# Altium PCB PCB v0.1.PcbDoc (part 2 of 2)
Units mm, origin at the board's own origin, x right, y up, seen from the top; angles counter-clockwise.
Board outline 36.5 x 36.5 mm, 4 copper layers (Top Layer, Mid Layer 1, Mid Layer 2, Bottom Layer), stack 1.17 mm thick; 152 components, 97 nets, 495 pads, 776 vias.
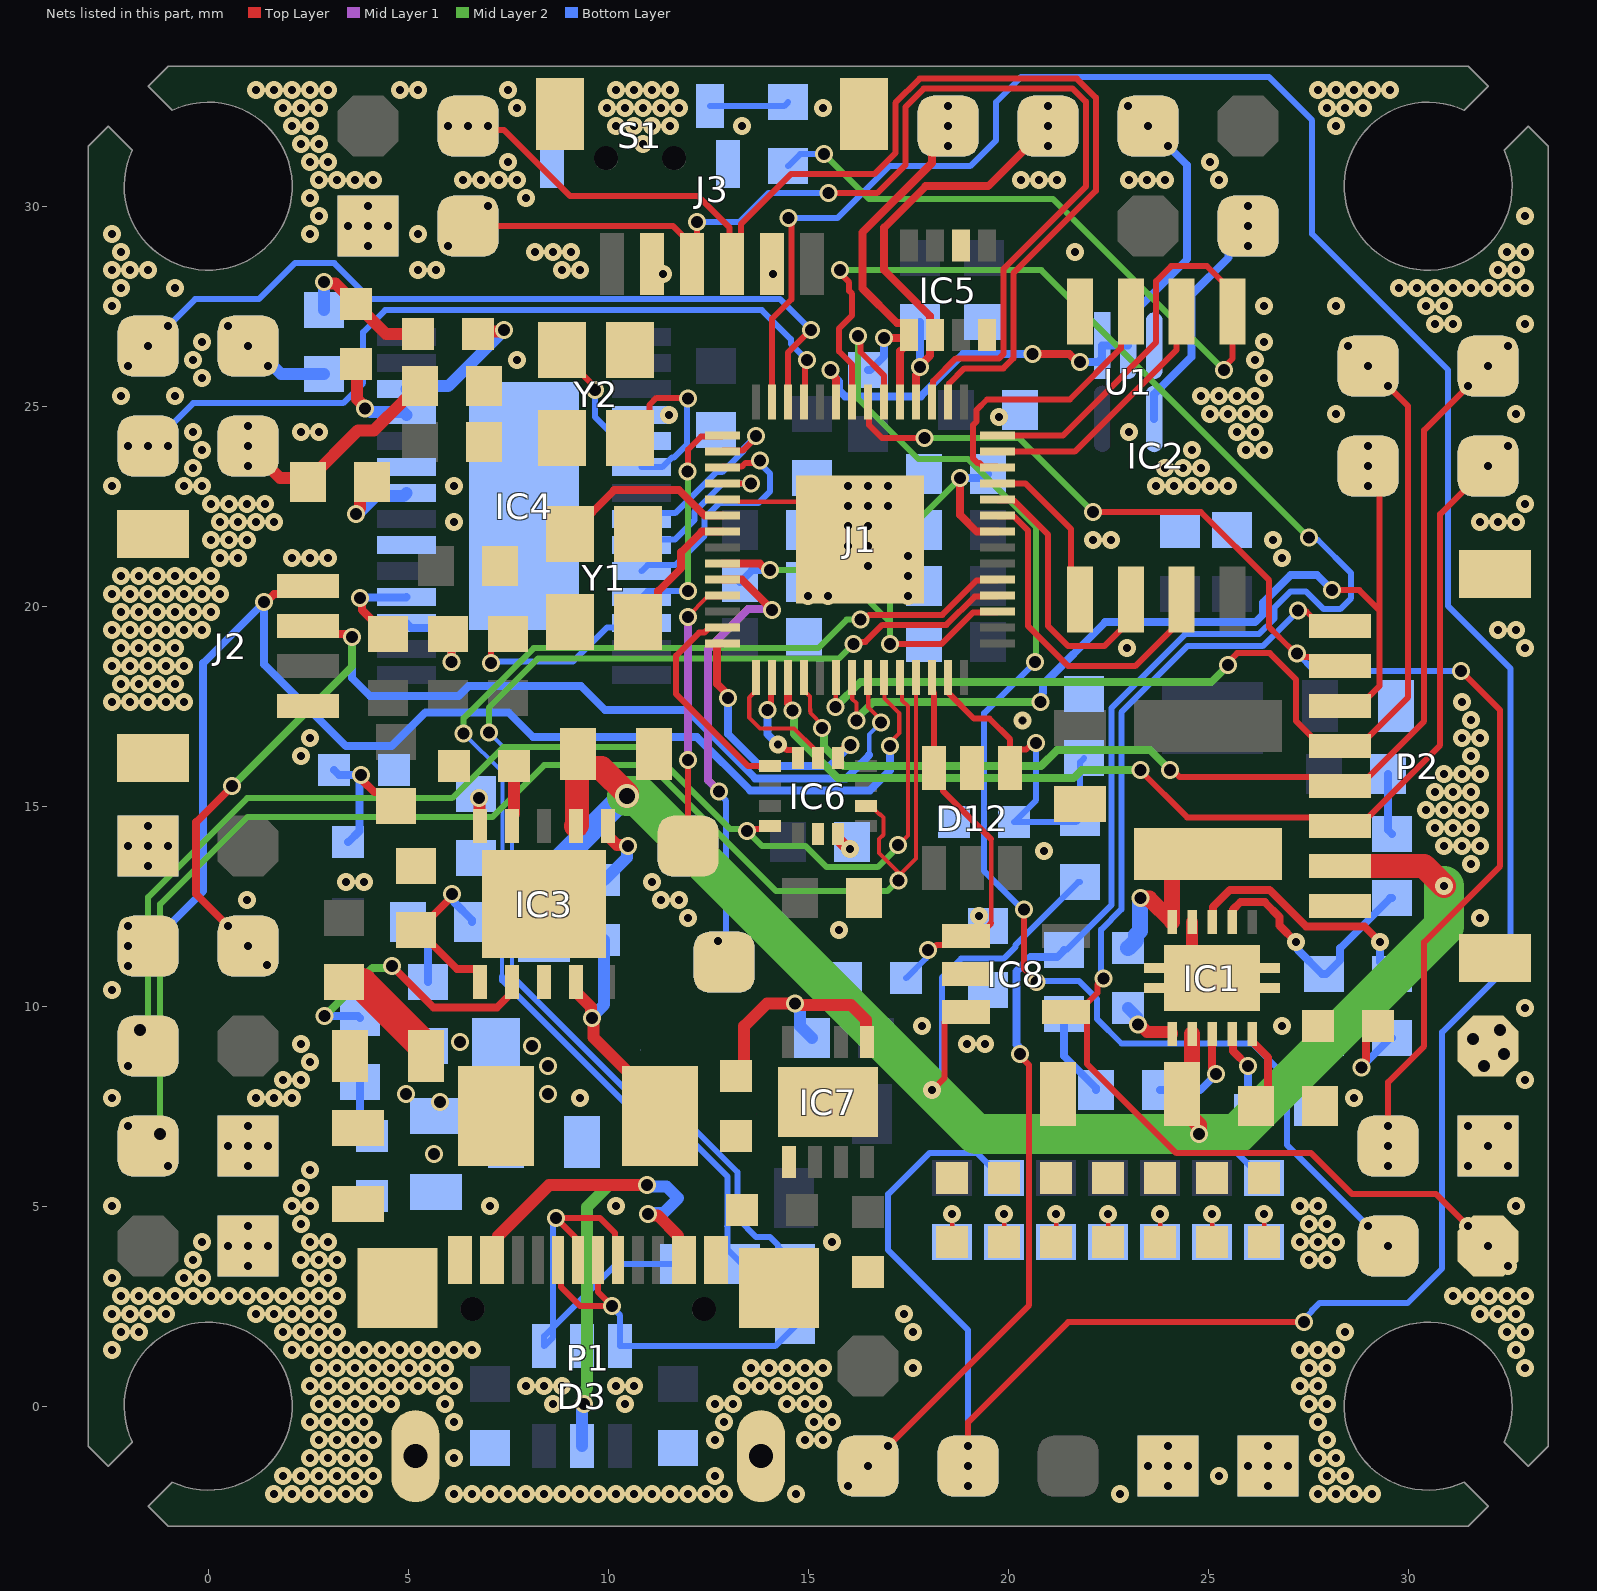
[diagram p4: the nets of this part, all layers, seen from the top]

## Via types
v1: diameter 0.45, hole 0.2, Top Layer to Bottom Layer, tented both sides, 626 vias
v2: diameter 0.45, hole 0.3, Top Layer to Bottom Layer, tented both sides, 140 vias
v3: diameter 0.6, hole 0.4, Top Layer to Bottom Layer, tented both sides, 6 vias
v4: diameter 0.6, hole 0.3, Top Layer to Bottom Layer, tented both sides, 4 vias

## Nets (pads, with @x,y where several pads share a name; then routed paths per layer and width w, separated by ;. In a path a pad name is that pad's centre, name@x,y a point inside that pad or via, vN(x,y) a via of type N, cw(c..) or ccw(c..) an arc to the next point about the centre after c; other vN are vias at no path point) (continued)
CSB: IC6.12 J1.28 | length 6.6
  Top Layer w0.15: IC6.12@15.75,16.2 15.75,16.325 15.901,16.476 15.921,16.476 15.979,16.533 v2(16.06,16.533)
  Top Layer w0.2: J1.28@12.862,19.062 12.75,19.062 12.725,19.037 12.725,18.056 13,17.781 v2(13,17.7)
  Bottom Layer w0.2: v2(13,17.7) 13,16.8 13.8,16 15.527,16 v2(16.06,16.533)
Curr_ADC: C23.2 D12.3 IC8.1 J1.40 R30.2 | length 10
  Top Layer w0.102: 19.575,12.075 19.575,14.175
  Top Layer w0.15: v2(18,11.4) 18.081,11.4 18.206,11.525 18.725,11.525 IC8.1@18.95,11.75 19.25,11.75 IC8.1@19.275,11.775 ; J1.40@18.1,18.224 18.1,17.887 18.15,17.837 D12.3@18.15,15.95 18.375,15.725 18.375,15.375 19.575,14.175 ; v1(19.275,12.25) IC8.1@19.275,11.775 ; 19.575,12.075 IC8.1@19.275,11.775
  Bottom Layer w0.15: C23.2@17.45,10.7 17.943,11.193 17.943,11.343 v2(18,11.4)
Curr_ESC: IC8.4 P2.8 P27.1 P27.2 | length 28.3
  Top Layer w0.15: IC8.4@21.45,9.85 IC8.4@21.75,9.85 ; v2(22.38,10.692) 22.23,10.543 22.23,10.33 IC8.4@21.75,9.85 ; v2(27.248,19.889) 27.27,19.868 27.457,19.868 27.825,19.5 P2.8@28.3,19.5 ; v1(32,4) v1(31.5,4.5) 30.7,5.3 28.6,5.3 27.575,6.325 24.203,6.325 21.975,8.553 21.975,9.625 IC8.4@21.75,9.85
  Bottom Layer w0.15: v2(22.38,10.692) 22.322,10.749 22.322,11.916 22.828,12.422 22.828,17.348 24.48,19 26.359,19 v2(27.248,19.889)
  other v1: 32.5,3.5
Debug: J1.13 P41.1 P41.2 R19.2 | length 77.7
  Top Layer w0.15: J1.13@14.1,25.1 14.1,27.192 14.577,27.669 14.577,29.557 14.503,29.63 v2(14.503,29.711) ; v1(19,-1.5) 19,-0.4 21.5,2.1 v2(27.4,2.1)
  Bottom Layer w0.15: v2(14.503,29.711) 15.736,29.711 17.025,31 19.051,31 19.698,31.647 19.698,32.604 20.319,33.225 26.524,33.225 27.6,32.149 27.6,29.306 31,25.906 31,20 32.552,18.448 32.552,11.052 30.849,9.349 30.849,3.443 29.983,2.577 27.777,2.577 27.6,2.4 27.6,2.381 27.4,2.181 v2(27.4,2.1) ; v1(19,-1.5) 19,1.904 17,3.904 17,5.3 18.027,6.327 19.223,6.327 19.85,5.7 R19.2@19.9,5.7
  other v1: 19,-2 19,-1
DM: D3.3 P1.5 P1.7 R5.2 | length 9.1
  Top Layer w0.15: P1.5@8.75,3.65 8.825,3.575 8.825,2.975 9.3,2.5 v2(10.1,2.5) 9.75,2.85 P1.7@9.75,3.65
  Bottom Layer w0.15: v2(10.1,2.5) 10.1,2.474 10.3,2.274 D3.3@10.3,1.5 14.175,1.5 R5.2@14.675,2
DP: D3.1 P1.6 P1.8 R4.2 | length 11.3
  Top Layer w0.15: P1.6@9.25,3.65 9.175,3.725 9.175,4.225 v2(8.7,4.7) 9.8,4.7 10.175,4.325 10.175,3.725 P1.8@10.25,3.65
  Bottom Layer w0.15: v2(8.7,4.7) 8.7,4.619 8.625,4.544 D3.1@8.625,1.975 ; R4.2@11.75,3.55 10.2,3.55 D3.1@8.625,1.975 ; D3.1@8.625,1.975 8.4,1.75 D3.1@8.4,1.5 8.625,1.725 D3.1@8.625,1.975
GND: C2.1 C3.1 C4.1 C5.1 C6.1 C8.1 C9.1 C10.1 C14.1 C15.2 C16.2 C17.2 C18.1 C19.1 C20.1 C21.2 C22.1 C23.1 C24.1 C25.1 C26.1 C27.1 C28.1 C29.1 C30.1 C31.1 C32.1 C33.1 C34.1 C35.1 C36.1 C37.1 C38.1 C39.2 C40.2 C42.1 D1.1 D2.1 D3.2 D4.1 D5.1 D6.1 D7.1 D8.1 D9.1 D10.1 D12.2 IC1.9 IC1.11 IC1.12 IC1.13 IC1.14 IC1.15 IC2.4 IC3.8 IC3.11 IC4.4 IC4.20 IC4.23 IC4.29 IC5.1 IC5.7 IC6.6 IC6.7 IC7.5 IC7.9 IC8.2 J1.19 J1.57 J2.4 J2.5 J2.6 J3.2 J3.5 J3.MP1 J3.MP2 P1.1 P1.12 P1.13 P1.14 P1.15 P1.16 P2.1 P2.MP1 P2.MP2 P20.1 P20.2 P21.1 P21.2 P22.1 P22.2 P23.1 P23.2 P24.1 P24.2 P25.1 P25.2 P26.1 P26.2 R3.1 R6.1 R7.1 R8.1 R22.1 R29.1 R30.1 R32.1 R34.1 S1.2 S1.3 S1.4 U1.3 Y1.2 Y1.4 Y2.2 Y2.4 | length 11.4
  Top Layer w0.102: J1.19@12.862,22.662 12.911,22.613 13.264,22.613 13.266,22.611 15.389,22.611 v1(16,22)
  Top Layer w0.2: IC1.15@23.65,10.45 24.85,10.45 IC1.11@25.1,10.7 ; IC1.14@23.65,10.95 IC1.11@24.85,10.95 ; IC1.12@26.55,10.45 25.35,10.45 IC1.11@25.1,10.7 ; IC1.13@26.55,10.95 25.35,10.95 IC1.11@25.1,10.7
  Top Layer w0.3: IC6.7@15.75,14.3 15.75,14.175 15.971,13.954 16.021,13.954 v1(16.05,13.925) ; IC1.9@24.6,12.1 24.6,11.2 24.85,10.95 IC1.11@25.1,10.7
  other v1: 1.65,-2.2 2.1,-2.2 2.55,-2.2 3,-2.2 3.45,-2.2 3.9,-2.2 6.15,-2.2 6.6,-2.2 7.05,-2.2 7.5,-2.2 7.95,-2.2 8.4,-2.2 8.85,-2.2 9.3,-2.2 9.75,-2.2 10.2,-2.2 10.65,-2.2 11.1,-2.2 11.55,-2.2 12,-2.2 12.45,-2.2 12.9,-2.2 14.7,-2.2 22.8,-2.2 27.75,-2.2 28.2,-2.2 28.65,-2.2 29.1,-2.2 24,-2 26.5,-2 1.875,-1.75 2.325,-1.75 2.775,-1.75 3.225,-1.75 3.675,-1.75 4.125,-1.75 12.675,-1.75 25.275,-1.75 27.975,-1.75 28.425,-1.75 23.5,-1.5 24,-1.5 24.5,-1.5 26,-1.5 26.5,-1.5 27,-1.5 2.55,-1.3 3,-1.3 3.45,-1.3 3.9,-1.3 6.15,-1.3 27.75,-1.3 28.2,-1.3 24,-1 26.5,-1 2.775,-0.85 3.225,-0.85 3.675,-0.85 4.125,-0.85 12.675,-0.85 14.925,-0.85 15.375,-0.85 27.975,-0.85 2.55,-0.4 3,-0.4 3.45,-0.4 3.9,-0.4 6.15,-0.4 12.9,-0.4 15.15,-0.4 15.6,-0.4 27.75,-0.4 2.775,0.05 3.225,0.05 3.675,0.05 4.125,0.05 4.575,0.05 5.925,0.05 8.625,0.05 10.425,0.05 12.675,0.05 13.125,0.05 14.475,0.05 14.925,0.05 15.375,0.05 27.525,0.05 27.975,0.05 2.55,0.5 3,0.5 3.45,0.5 3.9,0.5 4.35,0.5 4.8,0.5 5.25,0.5 5.7,0.5 6.15,0.5 7.95,0.5 8.4,0.5 8.85,0.5 10.2,0.5 10.65,0.5 13.35,0.5 13.8,0.5 14.25,0.5 14.7,0.5 15.15,0.5 27.3,0.5 27.75,0.5 2.775,0.95 3.225,0.95 3.675,0.95 4.125,0.95 4.575,0.95 5.025,0.95 5.475,0.95 5.925,0.95 13.575,0.95 14.025,0.95 14.475,0.95 14.925,0.95 15.375,0.95 17.625,0.95 27.525,0.95 27.975,0.95 32.925,0.95 -2.4,1.4 2.1,1.4 2.55,1.4 3,1.4 3.45,1.4 3.9,1.4 4.35,1.4 4.8,1.4 5.25,1.4 5.7,1.4 6.15,1.4 6.6,1.4 27.3,1.4 27.75,1.4 28.2,1.4 32.7,1.4 -2.175,1.85 -1.725,1.85 1.875,1.85 2.325,1.85 2.775,1.85 3.225,1.85 17.625,1.85 28.425,1.85 32.475,1.85 32.925,1.85 -2.4,2.3 -1.95,2.3 -1.5,2.3 -1.05,2.3 1.2,2.3 1.65,2.3 2.1,2.3 2.55,2.3 3,2.3 17.4,2.3 31.8,2.3 32.25,2.3 32.7,2.3 -2.175,2.75 -1.725,2.75 -1.275,2.75 -0.825,2.75 -0.375,2.75 0.075,2.75 0.525,2.75 0.975,2.75 1.425,2.75 1.875,2.75 2.325,2.75 2.775,2.75 3.225,2.75 31.125,2.75 31.575,2.75 32.025,2.75 32.475,2.75 32.925,2.75 -2.4,3.2 -0.6,3.2 -0.15,3.2 2.55,3.2 3,3.2 1,3.5 -0.375,3.65 2.325,3.65 2.775,3.65 3.225,3.65 27.525,3.65 27.975,3.65 0.5,4 1,4 1.5,4 -0.15,4.1 2.55,4.1 3,4.1 15.6,4.1 27.3,4.1 27.75,4.1 28.2,4.1 1,4.5 2.325,4.55 27.525,4.55 27.975,4.55 -2.4,5 2.1,5 2.55,5 7.05,5 10.2,5 27.3,5 27.75,5 32.7,5 2.325,5.45 2.55,5.9 1,6 31.5,6 32.5,6 0.5,6.5 1,6.5 1.5,6.5 32,6.5 1,7 31.5,7 32.5,7 -2.4,7.7 1.2,7.7 1.65,7.7 2.1,7.7 9.3,7.7 28.65,7.7 1.875,8.15 2.325,8.15 32.925,8.15 2.55,8.6 2.325,9.05 18.975,9.05 19.425,9.05 17.85,9.5 26.85,9.5 32.925,9.95 -2.4,10.4 15.775,11.9 12,12.2 31.8,12.2 0.975,12.65 11.325,12.65 11.775,12.65 3.45,13.1 3.9,13.1 11.1,13.1 -1.5,13.5 31.575,13.55 20.9,13.875 -2,14 -1.5,14 -1,14 30.9,14 31.35,14 31.8,14 30.675,14.45 31.125,14.45 31.575,14.45 -1.5,14.5 30.45,14.9 30.9,14.9 31.35,14.9 31.8,14.9 30.675,15.35 31.125,15.35 31.575,15.35 30.9,15.8 31.35,15.8 31.8,15.8 2.325,16.25 31.575,16.25 2.55,16.7 31.35,16.7 31.8,16.7 20.36,17.148 31.575,17.15 -2.4,17.6 -1.95,17.6 -1.5,17.6 -1.05,17.6 -0.6,17.6 31.35,17.6 -2.175,18.05 -1.725,18.05 -1.275,18.05 -0.825,18.05 -2.4,18.5 -1.95,18.5 -1.5,18.5 -1.05,18.5 -0.6,18.5 -2.175,18.95 -1.725,18.95 -1.275,18.95 -0.825,18.95 22.975,18.95 32.925,18.95 -2.4,19.4 -1.95,19.4 -1.5,19.4 -1.05,19.4 -0.6,19.4 -0.15,19.4 32.25,19.4 32.7,19.4 -2.175,19.85 -1.725,19.85 -1.275,19.85 -0.825,19.85 -0.375,19.85 0.075,19.85 15,20.25 15.5,20.25 17.5,20.25 -2.4,20.3 -1.95,20.3 -1.5,20.3 -1.05,20.3 -0.6,20.3 -0.15,20.3 0.3,20.3 -2.175,20.75 -1.725,20.75 -1.275,20.75 -0.825,20.75 -0.375,20.75 0.075,20.75 17.5,20.75 16.5,21 0.3,21.2 0.75,21.2 2.1,21.2 2.55,21.2 3,21.2 26.85,21.2 17.5,21.25 16,21.5 16.5,21.5 0.075,21.65 0.525,21.65 0.975,21.65 22.125,21.65 22.575,21.65 26.625,21.65 16.5,22 0.3,22.1 0.75,22.1 1.2,22.1 1.65,22.1 6.15,22.1 31.8,22.1 32.25,22.1 32.7,22.1 16,22.5 16.5,22.5 17,22.5 0.075,22.55 0.525,22.55 0.975,22.55 1.425,22.55 32.925,22.55 -2.4,23 -0.6,23 -0.15,23 6.15,23 16,23 16.5,23 17,23 23.7,23 24.15,23 24.6,23 25.05,23 25.5,23 -0.375,23.45 23.925,23.45 24.375,23.45 24.825,23.45 -0.15,23.9 24.6,23.9 25.95,23.9 26.4,23.9 -0.375,24.35 2.325,24.35 2.775,24.35 23.025,24.35 25.725,24.35 26.175,24.35 19.775,24.725 11.525,24.775 25.05,24.8 25.5,24.8 25.95,24.8 26.4,24.8 28.2,24.8 32.7,24.8 -2.175,25.25 -0.825,25.25 24.825,25.25 25.275,25.25 25.725,25.25 26.175,25.25 -0.15,25.7 26.4,25.7 -0.375,26.15 7.725,26.15 26.175,26.15 -0.15,26.6 26.4,26.6 30.675,27.05 31.125,27.05 32.925,27.05 -2.4,27.5 26.4,27.5 28.2,27.5 30.45,27.5 30.9,27.5 -2.175,27.95 -0.825,27.95 29.775,27.95 30.225,27.95 30.675,27.95 31.125,27.95 31.575,27.95 32.025,27.95 32.475,27.95 32.925,27.95 11.375,28.3 14.125,28.3 -2.4,28.4 -1.95,28.4 -1.5,28.4 5.25,28.4 5.7,28.4 8.85,28.4 9.3,28.4 32.25,28.4 32.7,28.4 -2.175,28.85 8.175,28.85 8.625,28.85 9.075,28.85 21.675,28.85 32.475,28.85 32.925,28.85 4,29 -2.4,29.3 2.55,29.3 5.25,29.3 3.5,29.5 4,29.5 4.5,29.5 2.775,29.75 32.925,29.75 4,30 2.55,30.2 7.95,30.2 2.775,30.65 3.225,30.65 3.675,30.65 4.125,30.65 6.375,30.65 6.825,30.65 7.275,30.65 7.725,30.65 20.325,30.65 20.775,30.65 21.225,30.65 23.025,30.65 23.475,30.65 23.925,30.65 25.275,30.65 2.55,31.1 3,31.1 7.5,31.1 25.05,31.1 2.325,31.55 2.775,31.55 10.875,31.55 2.1,32 2.55,32 10.2,32 10.65,32 11.1,32 11.55,32 13.35,32 28.2,32 1.875,32.45 2.325,32.45 2.775,32.45 7.725,32.45 9.975,32.45 10.425,32.45 10.875,32.45 11.325,32.45 11.775,32.45 15.375,32.45 27.975,32.45 28.425,32.45 28.875,32.45 1.2,32.9 1.65,32.9 2.1,32.9 2.55,32.9 3,32.9 4.8,32.9 5.25,32.9 7.5,32.9 10.2,32.9 10.65,32.9 11.1,32.9 11.55,32.9 27.75,32.9 28.2,32.9 28.65,32.9 29.1,32.9 29.55,32.9
Gyro_Int1: IC6.4 J1.38 P8.1 P8.2 | length 30.2
  Top Layer w0.102: v2(17.247,14.028) 17.25,14.028 17.494,14.273 17.494,17.5 17.349,17.645 17.349,18.175 J1.38@17.3,18.224
  Top Layer w0.15: v2(13.475,14.375) 13.532,14.432 13.982,14.432 IC6.4@14.05,14.5
  Mid Layer 2 w0.15: v2(-1.7,9.4) -1.7,9.434 -1.5,9.634 -1.5,12.725 0.975,15.2 6.098,15.2 7.373,16.475 11,16.475 13.043,14.432 13.418,14.432 13.85,14 14.938,14 15.463,13.475 16.735,13.475 17.247,13.987 v2(17.247,14.028)
  other v1: -2,8.5
Gyro_Int2: IC6.9 J1.39 P9.1 P9.2 | length 34.5
  Top Layer w0.102: IC6.9@16.45,15 16.575,15 16.773,14.802 16.788,14.802 16.877,14.713 16.877,14.287 16.766,14.175 16.766,13.83 v2@17.266,13.33 ; v2(17.252,13.148) 17.267,13.163 v2@17.267,13.33 ; J1.39@17.7,18.224 17.698,17.837 17.698,13.698 17.668,13.668 17.33,13.33 v2@17.267,13.33
  Mid Layer 2 w0.15: v2(-1.2,6.8) -1.2,12.55 0.978,14.728 7.103,14.728 8.4,16.025 11.05,16.025 14.2,12.875 16.978,12.875 v2(17.252,13.148)
  other v1: -1,6 -2,7
Gyro_MISO: IC6.1 J1.27 | length 5.5
  Top Layer w0.15: J1.27@12.862,19.462 12.525,19.462 12.401,19.339 12.272,19.339 11.7,18.766 11.7,17.8 13.5,16 IC6.1@14.05,16
Gyro_MOSI: IC6.14 J1.30 | length 2.6
  Top Layer w0.15: v2(13.976,17.4) 13.976,17.481 14.075,17.58 14.075,18.199 J1.30@14.1,18.224 ; v1(14.245,16.54) 14.327,16.54 14.466,16.4 14.675,16.4 14.75,16.325 IC6.14@14.75,16.2
  Bottom Layer w0.2: v2(13.976,17.4) 13.976,16.809 v1(14.245,16.54)
Gyro_SCLK: IC6.13 J1.29 | length 3.3
  Top Layer w0.102: J1.29@13.7,18.224 13.7,17.887 13.525,17.712 13.525,17.213 13.796,16.943 14.648,16.943 15.151,16.44 15.151,16.424 IC6.13@15.25,16.209
IO4: J1.6 P3.1 P3.2 | length 34.6
  Top Layer w0.15: v2(16.25,26.75) 16.307,26.693 16.307,26.355 16.9,25.762 J1.6@16.9,25.1 ; v2(20.4,12.422) 20.4,10.93 20.706,10.624 v2(20.706,10.6)
  Mid Layer 2 w0.15: v2(16.25,26.75) 16.25,25.182 17.757,23.675 18.997,23.675 20.7,21.972 20.7,18.625 v2(20.675,18.6)
  Bottom Layer w0.15: v2(20.4,12.422) 20.353,12.422 19.4,13.375 19.4,17.325 v2(20.675,18.6) ; v2(20.706,10.6) 20.731,10.625 21.775,10.625 22.225,10.175 22.225,9.675 22.832,9.069 26.103,9.069 26.973,8.198 26.973,6.527 v1(29,4.5) v1(29.5,4)
IO5: J1.7 P2.7 P4.1 P4.2 | length 33.3
  Top Layer w0.15: J1.7@16.5,25.1 16.525,25.075 16.525,24.525 16.85,24.2 v2(17.904,24.2) ; v2(22.125,22.35) 24.82,22.35 26.525,20.645 26.525,19.477 26.77,19.231 27.184,18.817 v2(27.219,18.817) ; v2@27.191,18.79 27.327,18.79 27.392,18.725 27.6,18.725 27.825,18.5 P2.7@28.3,18.5 ; v1(29.5,6.5) v1(29.5,7) 29.5,8.1 30.4,9 30.4,11.6 32.3,13.5 32.3,17.4 v2(31.325,18.375)
  Mid Layer 2 w0.15: v2(17.904,24.2) 20.275,24.2 v2(22.125,22.35)
  Bottom Layer w0.15: v2(27.219,18.817) 27.661,18.375 v2(31.325,18.375)
  other v1: 29.5,6
IO6: J1.8 P5.1 P5.2 R35.1 | length 50
  Top Layer w0.15: v2(15.8,28.4) 15.8,28.319 16.023,28.095 16.023,27.885 16.1,27.809 16.1,27.272 15.775,26.947 15.775,26.367 16.1,26.042 J1.8@16.1,25.1 ; v1(16.5,-1.5) 20.525,2.525 20.525,8.525 20.3,8.75 v2(20.3,8.8)
  Mid Layer 2 w0.15: v2(15.8,28.4) 20.827,28.4 v2(27.514,21.714)
  Bottom Layer w0.15: R35.1@21.4,11.4 21.45,11.4 22.577,12.527 22.577,17.452 24.424,19.3 26.266,19.3 26.659,19.693 26.659,19.972 27.052,20.364 27.448,20.364 27.888,19.925 28.297,19.925 28.575,20.203 28.575,20.825 27.744,21.656 27.571,21.656 v2(27.514,21.714)
  Bottom Layer w0.2: v2(20.3,8.8) 20.252,8.848 20.252,8.996 20.206,9.042 20.206,10.872 20.559,11.225 21.225,11.225 R35.1@21.4,11.4
  other v1: 16,-2 17,-1
IO24: J1.36 J2.2 P7.1 P7.2 | length 28.8
  Top Layer w0.102: J1.36@16.5,18.224 16.5,17.481 16.825,17.156 v2(16.825,17.098)
  Top Layer w0.2: v2(0.6,15.5) -0.3,14.6 -0.3,12.8 v1(1,11.5) ; J2.2@2.5,19.5 2.7,19.3 3.467,19.3 3.532,19.235 v2(3.6,19.235)
  Mid Layer 2 w0.2: v2(0.6,15.5) 3.6,18.5 v2(3.6,19.235)
  Bottom Layer w0.102: 16.525,16.275 16.525,16.798 v2(16.825,17.098)
  Bottom Layer w0.2: v2(3.6,19.235) 3.6,18.2 4.05,17.75 6.26,17.75 6.51,18 9.325,18 9.925,17.4 11.975,17.4 12.55,16.825 12.55,16.823 13.675,15.698 15.948,15.698 16.525,16.275
  other v1: 1.473,11.027 0.5,12
IO25: J1.37 J2.1 P6.1 P6.2 | length 33.1
  Top Layer w0.102: J1.37@16.9,18.224 16.906,18.218 16.906,17.694 17.276,17.324 17.276,16.83 17.044,16.597 v2(17.044,16.503)
  Top Layer w0.2: v2(1.4,20.1) 1.442,20.1 1.642,20.3 2.3,20.3 J2.1@2.5,20.5
  Bottom Layer w0.2: P6.2@-1.5,11.5 -0.125,12.875 -0.125,18.575 v2(1.4,20.1) 1.4,18.545 3.444,16.502 4.585,16.502 5.431,17.347 7.503,17.347 8.125,16.725 12.222,16.725 13.55,15.397 16.542,15.397 17.044,15.899 v2(17.044,16.503)
  other v1: -2,11 -2,11.5 -2,12
M1: J1.31 P2.3 P16.1 P16.2 | length 27.1
  Top Layer w0.15: v2@23.303,15.893 24.476,14.721 28.079,14.721 P2.3@28.3,14.5 28.775,14.5 30.8,16.525 30.8,22.3 v1(32,23.5)
  Top Layer w0.2: J1.31@14.5,18.224 14.5,17.562 14.601,17.461 v2(14.601,17.393)
  Mid Layer 2 w0.2: v2(14.601,17.393) 14.648,17.347 14.648,16.801 15.747,15.702 21.632,15.702 21.83,15.9 v2(23.303,15.9)
  other v1: 32.5,24
M2: J1.32 P2.4 P17.1 P17.2 | length 27.9
  Top Layer w0.102: J1.32@14.9,18.224 14.9,17.887 15.048,17.739 15.048,17.455 cw(c14.601,17.393) 15.051,17.377 ccw(c15.153,17.374) 15.051,17.374 15.052,17.332 15.081,17.303 15.35,17.034 v2(15.35,16.95)
  Top Layer w0.15: v2(24.05,15.9) 24.113,15.9 24.288,15.725 27.512,15.725 28.075,15.725 P2.4@28.3,15.5 28.775,15.5 30.4,17.125 30.4,24.4 v1(32,26)
  Mid Layer 2 w0.2: v2(15.35,16.95) 15.398,16.902 15.398,16.488 15.883,16.003 20.821,16.003 21.218,16.4 23.55,16.4 v2(24.05,15.9)
  other v1: 31.5,25.5 32.5,26.5
M3: J1.34 P2.5 P18.1 P18.2 | length 26.4
  Top Layer w0.102: v2(15.678,17.482) 15.689,17.493 15.689,18.213 J1.34@15.7,18.224
  Top Layer w0.15: v2(25.5,18.525) 25.5,18.6 25.725,18.825 26.539,18.825 27.2,18.164 27.2,17.125 27.825,16.5 P2.5@28.3,16.5 28.775,16.5 30,17.725 30,25 v1(29,26)
  Mid Layer 2 w0.2: v2(15.678,17.482) 15.682,17.482 16.302,18.102 20.634,18.102 20.636,18.1 25.075,18.1 v2(25.5,18.525)
  other v1: 29.5,25.5 28.5,26.5
M4: J1.35 P2.6 P19.1 P19.2 | length 23.3
  Top Layer w0.102: J1.35@16.1,18.224 16.1,17.678 16.202,17.576 v2(16.202,17.142)
  Top Layer w0.15: v2(28.1,20.4) 28.777,20.4 29.277,19.9 ; P2.6@28.3,17.5 28.775,17.5 29.277,18.002 29.277,19.9 ; v1(29,23.5) 29.277,23.223 29.277,19.9
  Mid Layer 2 w0.2: v2(16.202,17.142) 16.202,17.184 16.618,17.6 v2(20.804,17.6)
  Bottom Layer w0.2: v2(20.804,17.6) 20.851,17.648 20.851,17.823 20.87,17.842 20.87,18.045 22.425,19.6 26.175,19.6 26.375,19.8 26.375,20.093 27.057,20.775 27.725,20.775 v2(28.1,20.4)
  other v1: 29,23 29,24
MISO: IC4.11 J1.15 | length 5.8
  Top Layer w0.15: v2(11.987,23.367) 12,23.379 12,23.917 12.32,24.237 12.837,24.237 J1.15@12.862,24.262
  Mid Layer 2 w0.15: v2(11.987,23.367) 11.99,23.364 11.99,20.387 v2(11.993,20.384)
  Bottom Layer w0.15: IC4.11@10.838,20.225 10.988,20.375 11.984,20.375 v2(11.993,20.384)
MOSI: IC4.9 J1.18 | length 4.2
  Top Layer w0.15: J1.18@12.862,23.062 v2(13.564,23.062)
  Bottom Layer w0.15: IC4.9@10.838,21.525 10.985,21.672 11.672,21.672 12.161,22.161 12.161,22.366 12.857,23.062 v2(13.564,23.062)
NetC1_1: C1.1 IC1.1 | length 1.5
  Top Layer w0.3: v2(23.25,9.544) 23.288,9.544 23.47,9.361 24.07,9.361 24.1,9.331 IC1.1@24.1,9.3
  Bottom Layer w0.3: C1.1@23,9.95 23.221,9.729 23.221,9.572 v2(23.25,9.544)
NetC1_2: C1.2 IC1.10 L1.1 | length 4.7
  Top Layer w0.4: v2(23.303,12.7) 23.313,12.69 23.53,12.69 IC1.10@24.1,12.12 ; IC1.10@24.1,12.1 IC1.10@24.1,12.12 ; L1.1@25,13.8 24.55,13.8 24.1,13.35 IC1.10@24.1,12.12
  Bottom Layer w0.4: C1.2@23,11.45 23.2,11.65 23.2,11.783 23.294,11.877 23.294,12.69 v2(23.303,12.7)
NetC3_2: C3.2 IC1.4 | length 2.1
  Top Layer w0.2: IC1.4@25.6,9.3 25.62,9.28 25.62,8.88 v2(26,8.5)
  Bottom Layer w0.2: v2(26,8.5) 26,7.45 C3.2@26.05,7.4
NetC6_2: C6.2 R9.1 | length 2.3
  Top Layer w0.2: v2(28.836,8.464) 28.836,8.531 28.95,8.645 28.95,9.2 C6.2@29.25,9.5
  Bottom Layer w0.2: v2(28.836,8.464) 28.836,8.486 29.55,9.2 R9.1@29.6,9.2
NetC7_1: C7.1 IC3.1 | length 2
  Top Layer w0.3: IC3.1@10,14.5 10,14.25 10.221,14.029 10.471,14.029 v2(10.5,14)
  Bottom Layer w0.3: C7.1@9.9,13.15 10.471,13.721 10.471,13.971 v2(10.5,14)
NetC7_2: C7.2 IC3.9 L2.1 | length 6.3
  Top Layer w0.3: IC3.9@9.2,10.6 9.2,10.35 9.571,9.979 9.571,9.729 v2(9.6,9.7) 9.629,9.671 9.629,9.221 11.3,7.55 L2.1@11.3,7.25
  Bottom Layer w0.3: v2(9.6,9.7) 9.6,9.741 9.9,10.041 C7.2@9.9,11.65
NetC8_2: C8.2 C9.2 C10.2 C31.2 D2.2 L2.2 R10.1 R11.2 | length 2.9
  Top Layer w0.8: R10.1@3.45,10.6 3.5,10.55 3.85,10.55 5.4,9 5.4,8.8 C10.2@5.45,8.75
  other v2: 5.65,6.3 5.8,7.6 4.948,7.802 8.5,7.8 8.5,8.5 8.1,9 6.3,9.1
NetC11_1: C11.1 IC4.26 | length 3.7
  Top Layer w0.3: C11.1@6.75,26.8 6.821,26.871 7.371,26.871 v2(7.4,26.9)
  Bottom Layer w0.3: IC4.26@4.962,25.425 5.037,25.5 6,25.5 v2(7.4,26.9)
NetC11_2: C11.2 C12.2 R21.2 | length 3.6
  Top Layer w0.3: v2(2.9,28.1) 2.929,28.071 3.179,28.071 4.45,26.8 C11.2@5.25,26.8
  Bottom Layer w0.3: R21.2@2.9,27.4 v2(2.9,28.1)
NetC12_1: C12.1 IC4.25 | length 2.3
  Top Layer w0.3: C12.1@3.7,26.05 3.718,26.032 3.718,25.184 3.916,24.986 v2(3.916,24.945)
  Bottom Layer w0.3: v2(3.916,24.945) 3.957,24.945 4.052,24.85 4.887,24.85 IC4.25@4.962,24.775
NetC13_1: C13.1 IC4.22 | length 2.4
  Top Layer w0.3: v2(3.7,22.3) 3.7,22.341 3.8,22.441 3.8,22.8 C13.1@4.1,23.1
  Bottom Layer w0.3: v2(3.7,22.3) 3.741,22.3 4.191,22.75 4.887,22.75 IC4.22@4.962,22.825
NetC20_2: C20.2 IC7.1 R33.1 | length 6.4
  Top Layer w0.3: C20.2@13.2,8.25 13.4,8.45 13.4,9.5 13.964,10.064 v2(14.664,10.064) 14.692,10.035 16.065,10.035 16.45,9.65 16.45,9.125 IC7.1@16.475,9.1
  Bottom Layer w0.3: v2(14.664,10.064) 14.664,10.023 14.8,9.887 14.8,9.5 R33.1@15.1,9.2
NetC34_2: C34.2 IC3.4 | length 1.5
  Top Layer w0.3: IC3.4@7.6,14.5 7.6,14.75 7.65,14.8 C34.2@7.65,16
NetC35_2: C35.2 R13.1 | length 1.5
  Bottom Layer w0.2: R13.1@3.8,8.1 3.8,7.05 C35.2@4.1,6.75
NetC36_2: C36.2 FB1.2 R36.1 | length 3.8
  Top Layer w0.2: v2(3.825,15.775) 3.873,15.727 3.873,15.632 4.154,15.35 4.35,15.35 R36.1@4.7,15
  Bottom Layer w0.2: C36.2@3.15,15.9 3.275,15.775 v2(3.825,15.775) 3.782,15.732 3.782,14.382 FB1.2@3.5,14.1
NetC39_1: C39.1 C40.1 J1.23 J1.45 J1.50 | length 16.3
  Top Layer w0.15: v2(17.05,19.058) 18.336,19.058 19.114,19.837 19.713,19.837 J1.45@19.738,19.862
  Top Layer w0.2: J1.23@12.862,21.062 13.794,21.062 13.956,20.9 v2(14.05,20.9) ; v2(18.8,23.2) 18.8,22.278 19.216,21.862 J1.50@19.738,21.862
  Mid Layer 2 w0.15: v2(14.05,20.9) 15.744,20.9 17.05,19.594 ; v2(17.05,19.058) 17.05,19.594 ; v2(18.8,23.2) 17.05,21.45 17.05,19.594
  Bottom Layer w0.2: C39.1@13.3,20.6 13.6,20.9 v2(14.05,20.9) ; v2(18.8,23.2) 19.4,23.2 C40.1@19.5,23.3
NetD4_2: D4.2 R20.1 | length 1.4
  Top Layer w0.12: D4.2@18.6,4.1 v1(18.6,4.8)
  Bottom Layer w0.12: R20.1@18.6,4.1 v1(18.6,4.8)
NetD5_2: D5.2 R14.1 | length 1.4
  Top Layer w0.12: D5.2@26.4,4.1 v1(26.4,4.8)
  Bottom Layer w0.12: R14.1@26.4,4.1 v1(26.4,4.8)
NetD6_2: D6.2 R15.1 | length 1.4
  Top Layer w0.12: D6.2@25.1,4.1 v1(25.1,4.8)
  Bottom Layer w0.12: R15.1@25.1,4.1 v1(25.1,4.8)
NetD7_2: D7.2 R16.1 | length 1.4
  Top Layer w0.12: D7.2@23.8,4.1 v1(23.8,4.8)
  Bottom Layer w0.12: R16.1@23.8,4.1 v1(23.8,4.8)
NetD8_2: D8.2 R17.1 | length 1.4
  Top Layer w0.12: D8.2@22.5,4.1 v1(22.5,4.8)
  Bottom Layer w0.12: R17.1@22.5,4.1 v1(22.5,4.8)
NetD9_2: D9.2 R18.1 | length 1.4
  Top Layer w0.12: D9.2@21.2,4.1 v1(21.2,4.8)
  Bottom Layer w0.12: R18.1@21.2,4.1 v1(21.2,4.8)
NetD10_2: D10.2 R19.1 | length 1.4
  Top Layer w0.12: D10.2@19.9,4.1 v1(19.9,4.8)
  Bottom Layer w0.12: R19.1@19.9,4.1 v1(19.9,4.8)
NetIC1_3: IC1.3 R31.2 | length 2.6
  Top Layer w0.2: IC1.3@25.1,9.3 25.1,8.468 25.2,8.368 v2(25.2,8.3)
  Bottom Layer w0.2: R31.2@23.8,7.9 24.8,7.9 v2(25.2,8.3)
NetIC1_5: IC1.5 R6.2 | length 2.1
  Top Layer w0.2: IC1.5@26.1,9.3 26.1,9.12 26.5,8.72 26.5,7.8 R6.2@26.2,7.5
NetIC1_7: IC1.7 R2.1 R3.2 | length 6.3
  Top Layer w0.2: IC1.7@25.6,12.1 25.62,12.12 25.62,12.42 25.802,12.602 26.304,12.602 26.305,12.6 26.413,12.6 26.783,12.231 26.783,12.017 v1(27.2,11.6)
  Bottom Layer w0.2: v1(27.2,11.6) 27.248,11.552 27.248,11.402 27.85,10.8 R3.2@27.9,10.8 27.95,10.8 28.3,11.15 28.3,11.45 29.55,12.7 R2.1@29.6,12.7
NetIC1_8: IC1.8 R9.2 | length 6.2
  Top Layer w0.2: IC1.8@25.1,12.1 25.12,12.12 25.12,12.484 25.539,12.903 26.537,12.903 27.441,11.998 28.902,11.998 v1(29.3,11.6)
  Bottom Layer w0.2: v1(29.3,11.6) 29.3,11.1 R9.2@29.6,10.8
NetIC2_1: IC2.1 J1.56 R37.1 | length 24.1
  Top Layer w0.15: J1.56@19.738,24.262 21.366,24.262 23.7,26.596 23.7,28.126 24.074,28.5 24.97,28.5 25.607,27.863 IC2.1@25.607,27.363 25.607,26.188 25.4,25.981 v2(25.4,25.9)
  Mid Layer 2 w0.15: v2(15.4,31.3) 16.525,30.175 21.125,30.175 v2(25.4,25.9)
  Bottom Layer w0.15: R37.1@14.5,31 14.8,31.3 v2(15.4,31.3)
NetIC2_2: IC2.2 J1.55 | length 6.5
  Top Layer w0.15: J1.55@19.738,23.862 21.662,23.862 24.201,26.401 24.201,27.227 IC2.2@24.337,27.363
NetIC2_3: IC2.3 J1.54 | length 7.2
  Top Layer w0.15: J1.54@19.738,23.462 19.713,23.487 19.376,23.487 19.277,23.585 19.227,23.585 19.124,23.689 19.124,24.537 19.209,24.622 19.209,24.909 19.469,25.169 21.541,25.169 22.817,26.445 22.817,27.113 IC2.3@23.067,27.363
NetIC2_5: IC2.5 J1.53 | length 4.2
  Top Layer w0.15: J1.53@19.738,23.062 20.438,23.062 21.572,21.928 21.572,20.388 IC2.5@21.797,20.163
NetIC2_6: IC2.6 J1.52 | length 7
  Top Layer w0.15: J1.52@19.738,22.662 19.763,22.637 20.15,22.637 21,21.787 21,19.5 21.5,19 22.404,19 23.067,19.663 IC2.6@23.067,20.163
NetIC2_7: IC2.7 J1.51 | length 8.5
  Top Layer w0.15: J1.51@19.738,22.262 19.763,22.237 20.15,22.237 20.5,21.887 20.5,19.5 21.5,18.5 23.174,18.5 24.337,19.663 IC2.7@24.337,20.163
NetIC3_5: IC3.5 R32.2 | length 0.7
  Top Layer w0.3: v2(6.772,15.203) 6.786,15.189 6.786,14.514 IC3.5@6.8,14.5
NetIC3_6: IC3.6 R12.1 R34.2 | length 4.4
  Top Layer w0.2: R34.2@5.2,11.9 R34.2@5.25,11.9 ; v2(6.1,12.8) 6.1,12.75 R34.2@5.25,11.9 ; IC3.6@6.8,10.6 6.8,10.85 6.725,10.925 6.225,10.925 R34.2@5.25,11.9
  Bottom Layer w0.2: v2(6.1,12.8) 6.148,12.752 6.148,12.602 6.6,12.15 R12.1@6.6,12.1
NetIC3_7: IC3.7 R13.2 | length 7
  Top Layer w0.2: v2(4.6,11) 5.627,9.973 7.223,9.973 7.6,10.35 IC3.7@7.6,10.6
  Mid Layer 2 w0.2: v2(2.906,9.75) 4.109,10.952 4.552,10.952 v2(4.6,11)
  Bottom Layer w0.2: v2(2.906,9.75) 3.75,9.75 R13.2@3.8,9.7
NetIC4_5: IC4.5 Y2.1 | length 3.4
  Top Layer w0.15: Y2.1@8.85,26.4 8.85,26.3 9.675,25.475 v2(9.675,25.41)
  Bottom Layer w0.15: v2(9.675,25.41) 9.675,24.726 10.027,24.373 10.077,24.373 10.325,24.125 IC4.5@10.838,24.125
NetIC4_6: IC4.6 Y2.3 | length 4.6
  Top Layer w0.15: Y2.3@10.55,24.2 11.032,24.682 11.032,25.036 11.205,25.21 11.976,25.21 v2(11.989,25.197)
  Bottom Layer w0.15: IC4.6@10.838,23.475 11.351,23.475 11.599,23.723 11.649,23.723 11.976,24.05 11.976,25.183 v2(11.989,25.197)
NetIC4_12: IC4.12 R23.1 | length 5.1
  Top Layer w0.15: v2(7.075,18.575) 7.075,18.925 7.45,19.3 R23.1@7.5,19.3
  Bottom Layer w0.15: v2(7.075,18.575) 7.124,18.624 9.124,18.624 9.966,19.466 10.729,19.466 IC4.12@10.838,19.575
NetIC4_17: IC4.17 R25.1 | length 2.7
  Top Layer w0.2: R25.1@6,19.3 6.087,19.213 v2(6.087,18.6)
  Bottom Layer w0.2: IC4.17@4.962,19.575 5.087,19.45 5.97,19.45 6.087,19.333 v2(6.087,18.6)
NetIC4_18: IC4.18 R24.1 | length 2.4
  Top Layer w0.2: v2(3.8,20.2) 3.848,20.152 3.848,19.902 4.45,19.3 R24.1@4.5,19.3
  Bottom Layer w0.2: v2(3.8,20.2) 3.812,20.212 4.949,20.212 IC4.18@4.962,20.225
NetJ1_20: J1.20 Y1.1 | length 4.5
  Top Layer w0.2: Y1.1@9.05,21.8 9.106,21.856 10.15,22.9 11.774,22.9 12.412,22.262 J1.20@12.862,22.262
NetJ1_21: J1.21 Y1.3 | length 3.4
  Top Layer w0.2: Y1.3@10.75,19.6 11.25,20.1 11.25,20.375 11.825,20.95 11.825,21.35 12.337,21.862 J1.21@12.862,21.862
NetJ1_46: J1.46 R5.1 | length 31.6
  Top Layer w0.15: v2(16.137,19.062) 16.183,19.107 16.427,19.107 16.853,19.533 18.455,19.533 19.159,20.237 19.713,20.237 J1.46@19.738,20.262
  Mid Layer 2 w0.15: v2(7.016,16.847) 7.016,17.466 8.248,18.698 15.773,18.698 v2(16.137,19.062)
  Bottom Layer w0.102: v2(7.016,16.847) 7.598,16.265 7.598,10.753
  Bottom Layer w0.15: 7.598,10.753 10.925,7.425 11.656,7.425 13.231,5.85 13.231,4.694 13.698,4.227 14.048,4.227 14.25,4.025 14.25,3.975 14.625,3.6 R5.1@14.675,3.6
NetJ1_47: J1.47 R4.1 | length 31.8
  Top Layer w0.15: v2(16.31,19.662) 16.391,19.662 16.514,19.785 18.351,19.785 19.205,20.639 19.715,20.639 J1.47@19.738,20.662
  Mid Layer 2 w0.15: v2(6.387,16.819) 6.387,17.2 8.137,18.95 15.25,18.95 15.962,19.662 v2(16.31,19.662)
  Bottom Layer w0.102: v2(6.387,16.819) 7.353,15.854 7.353,13.187 7.346,13.18 7.346,10.744 ; 12.95,4.5 12.979,4.471
  Bottom Layer w0.15: 7.346,10.744 7.346,10.648 10.821,7.173 11.552,7.173 12.979,5.746 12.979,4.471 12.979,3.921 R4.1@13.35,3.55
NetR1_1: R1.1 R2.2 | length 1.5
  Bottom Layer w0.2: R1.1@29.5,15.8 29.5,14.4 R2.2@29.6,14.3
NetR11_1: R11.1 R12.2 | length 1.7
  Bottom Layer w0.2: R12.2@5,12.1 5,12.05 5.5,11.55 R11.1@5.5,10.6
NetR31_1: R31.1 R35.2 | length 2.2
  Bottom Layer w0.2: R35.2@21.4,9.8 21.4,8.75 22.2,7.95 R31.1@22.2,7.9
NetR37_2: R37.2 S1.1 | length 2
  Bottom Layer w0.15: S1.1@12.55,32.5 14.4,32.5 R37.2@14.5,32.6
OSD_SCLK: IC4.10 J1.17 | length 6.2
  Top Layer w0.15: J1.17@12.862,23.462 12.887,23.487 13.335,23.487 13.432,23.584 13.741,23.584 v2(13.798,23.641)
  Bottom Layer w0.15: IC4.10@10.838,20.875 10.988,21.025 11.675,21.025 12.412,21.762 12.412,22.212 12.777,22.577 13.752,22.577 14.039,22.864 14.039,23.319 13.798,23.56 v2(13.798,23.641)
OSD_SS: IC4.8 J1.16 | length 4.8
  Top Layer w0.15: J1.16@12.862,23.862 12.887,23.887 13.311,23.887 13.312,23.888 13.361,23.888 13.7,24.227 v2(13.7,24.259)
  Bottom Layer w0.15: IC4.8@10.838,22.175 10.988,22.325 11.675,22.325 12.7,23.35 12.85,23.35 13.377,23.877 13.377,23.936 v2(13.7,24.259)
SCL: IC5.4 J1.5 P38.1 P38.2 R26.1 | length 10
  Top Layer w0.2: v2(16.9,26.7) 17.5,26.7 17.525,26.725 17.525,26.95 17.4,27.075 17.225,27.075 16.358,27.942 16.358,29.349 18.092,31.083 18.092,31.359 18.223,31.491 18.5,31.491 v1(18.5,32) ; J1.5@17.3,25.1 17.3,26.375 IC5.4@17.463,26.538
  Bottom Layer w0.2: R26.1@16.5,25.9 16.55,25.9 16.9,26.25 v2(16.9,26.7)
  other v1: 18.5,31.5 18.5,32.5
SDA: IC5.3 J1.4 P37.1 P37.2 R27.1 | length 11.4
  Top Layer w0.2: J1.4@17.7,25.1 17.7,25.781 17.835,25.917 v2@17.835,25.984 ; v2(17.8,25.977) 17.8,26.017 18.05,26.267 18.05,26.65 IC5.3@18.175,26.775 18.05,26.9 18.05,27.25 16.9,28.4 16.9,29.464 17.936,30.5 19.5,30.5 v1(21,32)
  Bottom Layer w0.2: v2(17.8,25.977) R27.1@17.8,27.1
  other v1: 21,31.5 21,32.5
Spk+: J1.9 P33.1 P33.2 U1.1 U1.2 | length 16.1
  Top Layer w0.2: v2(15.551,25.908) 15.551,25.84 15.7,25.691 J1.9@15.7,25.1 ; v2(20.603,26.3) 21.532,26.3 21.732,26.1 v2(21.8,26.1)
  Bottom Layer w0.2: v2(15.551,25.908) 15.551,25.84 15.775,25.616 15.775,25.39 15.916,25.248 17.813,25.248 18.865,26.3 v2(20.603,26.3) ; v2(21.8,26.1) 22.242,26.1 22.35,26.208 U1.1@22.35,26.514 U1.2@23,26.514 23,27.2 24.475,28.675 24.475,31.025 v1(24,31.5) v1(23.5,32)
  other v1: 23,32.5
Spk-: P35.1 P35.2 U1.4 | length 5.9
  Bottom Layer w0.2: U1.4@23.65,24.686 23.65,25.304 24.581,26.235 24.581,27.791 25.511,28.721 25.511,28.859 25.757,29.105 25.895,29.105 25.895,29.395 v1(26,29.5)
  other v1: 26,29 26,30
SWCLK: J1.24 P40.1 P40.2 | length 11.7
  Top Layer w0.2: J1.24@12.862,20.662 13.344,20.662 v2(14.1,19.906)
  Mid Layer 1 w0.2: v2(12.773,15.373) 12.5,15.647 12.5,18.93 13.495,19.925 14.082,19.925 v2(14.1,19.906)
  Bottom Layer w0.15: v1(12.75,11.625) 12.861,11.625 12.861,11.677 12.948,11.764 12.948,15.136 12.773,15.31 v2(12.773,15.373) ; P40.2@12.9,11.1 P40.2@12.9,11.625
SWDIO: J1.25 P39.1 P39.2 | length 9
  Top Layer w0.102: v2(11.991,19.729) 11.991,19.744 12.46,20.213 12.813,20.213 J1.25@12.862,20.262
  Top Layer w0.15: P39.1@12,14 v2(12,16.154)
  Mid Layer 1 w0.2: v2(11.991,19.729) 11.995,19.724 11.995,16.159 v2(12,16.154)
  Bottom Layer w0.15: P39.2@12,14 v2(12,16.154)
U0RX: J1.3 J3.4 P12.1 P12.2 | length 29.2
  Top Layer w0.15: P12.1@6.5,29.5 9.318,29.5 9.319,29.502 11.623,29.502 12.1,29.025 J3.4@12.1,28.55 12.225,28.675 v2(12.225,29.6) ; v2(15.512,30.325) 16.725,30.325 17.428,31.028 17.428,32.479 17.888,32.939 21.612,32.939 21.939,32.612 21.939,30.488 19.877,28.426 19.877,26.302 19.773,26.198 18.693,26.198 18.125,25.63 18.125,25.125 J1.3@18.1,25.1
  Bottom Layer w0.15: v2(12.225,29.6) 13.277,29.6 14.002,30.325 v2(15.512,30.325)
  other v1: 6,29 7,30
U0TX: J1.2 J3.3 P13.1 P13.2 | length 30.1
  Top Layer w0.15: v1(6.5,32) v1(7,32) 7.099,31.901 7.399,31.901 9.05,30.25 12.247,30.25 13.035,29.462 J3.3@13.035,29.172 ; J3.3@13.1,28.55 13.1,29.172 13.247,29.172 13.325,29.25 13.325,29.561 14.564,30.8 16.65,30.8 17.177,31.327 17.177,32.583 17.784,33.19 21.716,33.19 22.19,32.716 22.19,30.384 20.128,28.322 20.128,26.198 19.877,25.947 18.903,25.947 18.525,25.569 18.525,25.125 J1.2@18.5,25.1
  other v1: 6,32
U1RX: J1.12 P14.1 P14.2 | length 20.2
  Top Layer w0.15: J1.12@14.5,25.1 14.5,25.905 14.5,26.347 15.053,26.9 v2(15.075,26.9)
  Bottom Layer w0.15: v1(-1.5,26.5) -0.325,27.675 1.268,27.675 2.168,28.575 3.151,28.575 4.04,27.686 14.289,27.686 v2(15.075,26.9)
  other v1: -2,26 -1,27
U1TX: J1.11 P15.1 P15.2 | length 20.6
  Top Layer w0.15: J1.11@14.9,25.1 14.925,25.125 14.925,26.1 v2(14.975,26.15)
  Bottom Layer w0.15: v1(-1.5,24) v1(-1,24) -1,24.45 -0.375,25.075 3.375,25.075 3.577,25.277 3.72,25.42 3.875,25.575 3.875,26.85 4.425,27.4 13.841,27.4 14.567,26.675 14.567,26.558 v2(14.975,26.15)
  other v1: -2,24
USB5V: D3.5 D13.1 P1.2 P1.11 | length 16.1
  Top Layer w0.3: P1.2@7.1,3.65 7.25,3.8 7.25,4.256 8.519,5.525 v2(10.975,5.525) ; v2(11,4.8) 11.029,4.771 11.235,4.771 11.75,4.256 11.75,3.8 P1.11@11.9,3.65
  Mid Layer 2 w0.3: v2(9.4,0.05) 9.429,0.079 9.429,0.406 9.475,0.452 9.475,4.985 10.015,5.525 v2(10.975,5.525)
  Bottom Layer w0.3: D3.5@9.35,-1 9.35,-0.041 9.4,0.009 v2(9.4,0.05) ; v2(10.975,5.525) 11.004,5.496 11.454,5.496 D13.1@11.75,5.2 11.379,4.829 11.029,4.829 v2(11,4.8)
VBAT: C2.2 C32.2 C33.2 IC1.2 IC3.2 IC8.3 P2.2 P42.1 P42.2 R14.2 R28.2 | length 50.7
  Top Layer w0.15: v1(18.1,7.9) 18.41,8.21 18.41,9.61 18.65,9.85 IC8.3@18.95,9.85
  Top Layer w0.4: IC1.2@24.6,9.3 24.6,8.185 24.39,7.975 24.39,7.41 24.765,7.035 24.765,6.81 v2(24.775,6.8)
  Top Layer w0.6: IC3.2@9.2,14.5 9.225,14.525 C32.2@9.225,16 ; C32.2@9.25,16.3 9.25,16.1 9.4,15.95 9.827,15.95 10.475,15.302 v3(10.475,15.26) ; P2.2@28.3,13.5 30.4,13.5 v1(30.9,13)
  Mid Layer 2 w1: v3(10.475,15.26) 10.74,15.26 19.2,6.8 25.705,6.8 30.9,11.995 v1(30.9,13)
  Bottom Layer w0.15: v1(18.1,7.9) 18.112,7.9 18.35,8.138 18.35,10.72 18.821,11.191 19.891,11.191 20.177,11.477 20.177,11.527 21.75,13.1 R28.2@21.8,13.1 ; v2(24.775,6.8) 25.25,6.8 26.35,5.7 R14.2@26.4,5.7
  Bottom Layer w0.6: C33.2@8.4,13.45 8.55,13.6 8.75,13.6 10.41,15.26 v3(10.475,15.26)
  other v2: 31.9,8.5 32.4,8.8 31.625,9.175 32.3,9.4
Vbat_ADC: C22.2 D12.1 J1.41 R28.1 R29.2 | length 9.6
  Top Layer w0.15: J1.41@18.5,18.224 18.525,18.199 18.525,17.812 19.143,17.194 19.53,17.194 20.05,16.674 20.05,16.052 D12.1@20.05,15.95 ; D12.1@20.05,16.02 20.05,16.194 20.275,16.419 20.449,16.419 20.616,16.586 v2(20.697,16.586)
  Bottom Layer w0.15: v2(20.697,16.586) 20.7,16.583 20.7,15.15 C22.2@20.15,14.6 21.7,14.6 R28.1@21.8,14.7 21.8,16.1 R29.2@21.9,16.2
"Video In": C13.2 P11.1 P11.2 R22.2 | length 5.7
  Top Layer w0.3: v1(1,24) 1.8,23.2 2.4,23.2 C13.2@2.5,23.1 2.5,23.15 3.745,24.395 4.144,24.395 4.899,25.15 5,25.15 5.3,25.45 R22.2@5.3,25.5
  other v1: 1,23.5 1,24.5
"Video Out": P10.1 P10.2 R21.1 | length 2.2
  Bottom Layer w0.3: v1(1,26.5) 1.125,26.5 1.825,25.8 R21.1@2.9,25.8
  other v1: 1.5,26 0.5,27
pads on no net: D12.4 D12.6 IC1.6 IC3.3 IC3.10 IC4.1 IC4.2 IC4.7 IC4.13 IC4.14 IC4.15 IC4.16 IC4.27 IC4.28 IC5.2 IC5.5 IC5.6 IC6.2 IC6.3 IC6.10 IC6.11 IC7.2 IC7.3 IC7.4 IC7.6 J3.6 P1.3 P1.9 P1.17 S1.

## Polygon pours and split planes (outlines as drawn)
GND on Mid Layer 2 "GND_L03_P003" (solid, pour order 3): -3,-1 -2.499,-1.501 -1.525,-0.527 cw(c-0.025,-0.027) -0.525,-1.527 -1.499,-2.501 -1,-3 31.5,-3 32,-2.5 31,-1.5 cw(c30.5,0) 32,-0.5 33,-1.5 33.5,-1 33.5,31.5 33,32 32,31 cw(c30.5,30.5) 31,32 32,33 31.5,33.5 -1,33.5 -1.5,33 -0.5,32 cw(c0,30.5) -1.5,31 -2.5,32 -3,31.5
VBAT on Mid Layer 2 "VBAT_L03_P000" (solid, pour order 0): 30.1,10.9 29.2,10 31.1,8.1 32.3,8.1 32.8,8.6 32.8,9.5 32.5,9.8 31.2,9.8
GND on Top Layer "Top Poly" (solid, pour order 5): -3,-1 -2.499,-1.501 -1.525,-0.527 cw(c-0.025,-0.027) -0.525,-1.527 -1.499,-2.501 -1,-3 31.5,-3 32,-2.5 31,-1.5 cw(c30.5,0) 32,-0.5 33,-1.5 33.5,-1 33.5,31.5 33,32 32,31 cw(c30.5,30.5) 31,32 32,33 31.5,33.5 -1,33.5 -1.5,33 -0.5,32 cw(c0,30.5) -1.5,31 -2.5,32 -3,31.5
NetC8_2 on Top Layer "NETC8_2_L01_P001" (solid, pour order 1): 4.8,9.7 4.4,9.3 4.4,8 4.2,7.8 3.1,7.8 2.6,7.3 2.6,6.4 2.8,6.2 5.2,6.2 5.8,5.6 8.1,5.6 8.8,6.3 8.8,8.6 7.7,9.7 5.7,9.7
GND on Bottom Layer "GND_L04_P006" (solid, pour order 6): -3,-1 -2.499,-1.501 -1.525,-0.527 cw(c-0.025,-0.027) -0.525,-1.527 -1.499,-2.501 -1,-3 31.5,-3 32,-2.5 31,-1.5 cw(c30.5,0) 32,-0.5 33,-1.5 33.5,-1 33.5,31.5 33,32 32,31 cw(c30.5,30.5) 31,32 32,33 31.5,33.5 -1,33.5 -1.5,33 -0.5,32 cw(c0,30.5) -1.5,31 -2.5,32 -3,31.5
NetC8_2 on Bottom Layer "NETC8_2_L04_P002" (solid, pour order 2): 4.7,9.8 6.2,9.8 6.4,10 7.9,10 8.4,9.5 8.4,6 8,5.6 6.9,5.6 6.2,6.3 5.1,6.3 4.7,6.7 4.7,8.8
GND on Mid Layer 1 "GND_L02_P004" (solid, pour order 4): -3,-1 -2.499,-1.501 -1.525,-0.527 cw(c-0.025,-0.027) -0.525,-1.527 -1.499,-2.501 -1,-3 31.5,-3 32,-2.5 31,-1.5 cw(c30.5,0) 32,-0.5 33,-1.5 33.5,-1 33.5,31.5 33,32 32,31 cw(c30.5,30.5) 31,32 32,33 31.5,33.5 -1,33.5 -1.5,33 -0.5,32 cw(c0,30.5) -1.5,31 -2.5,32 -3,31.5

## Silkscreen, mask and mechanical layers (free items; w line width, h text height)
Top Overlay:
  region: 14.325,11.05 16.275,11.75 15.925,11.05 16.275,10.35
  text "Sp+" at 24.46,33.2 h1.1 r270
  text "SDA" at 21.937,32.85 h1.3 r270
  text "10V" at 4.912,32.725 h1.3 r270
  text "SCL" at 19.387,32.691 h1.3 r270
  text "5V" at 26.937,32.507 h1.3 r270
  text "T0" at 7.387,32.35 h1.3 r270
  text "3V3" at 24.412,30.325 h1.3 r270
  text "G" at 4.887,30.125 h1.3 r270
  text "Sp-" at 27.114,30.05 h1.3 r270
  text "R0" at 7.412,29.95 h1.3 r270
  text "G" at 10.908,27.6 h0.7 r270
  text "R0" at 11.908,27.6 h0.7 r270
  text "T0" at 12.908,27.6 h0.7 r270
  text "G" at 13.808,27.6 h0.7 r270
  text "10V" at 14.408,27.6 h0.7 r270
  text "VO" at 0.424,27.412 h1.3
  text "R1" at -1.95,27.379 h1.3
  text "M3" at 28.45,26.887 h1.3
  text "M2" at 31.35,26.879 h1.3
  text "T1" at -1.975,24.879 h1.3
  text "VI" at 0.624,24.879 h1.3
  text "M1" at 31.225,24.404 h1.3
  text "M4" at 28.45,24.379 h1.3
  text "IO25" at 4.1,20.608 h0.7
  text "IO24" at 4.1,19.908 h0.7
  text "C" at 27,19.208 h0.7
  text "5V" at 3.408,18.8 h0.7 r270
  text "IO5" at 25.9,18.608 h0.7
  text "G" at 3.408,17.7 h0.7 r270
  text "M4" at 27.4,17.3 h0.7 r90
  text "M3" at 27.392,16.4 h0.7 r90
  text "M2" at 27.4,15.4 h0.7 r90
  text "4V5" at 0.65,14.887 h1.3
  text "SWDIO" at 11.05,14.885 h1.1
  text "G" at -0.625,14.587 h1.3
  text "M1" at 27.4,14.5 h0.7 r90
  text "VBat" at 27.393,12.901 h0.7 r90
  text "IO25" at -2.45,12.387 h1.3
  text "IO24" at 0.059,12.387 h1.3
  text "G" at 27.392,12.3 h0.7 r90
  text "SWCLK" at 11.45,12.01 h1.1
  text "JLCJLCJLCJLC" at 30.33,11.595 h0.75 r90
  text "Int1" at -2.144,9.889 h1.3
  text "5V" at 0.5,9.892 h1.3
  text "V+" at 31.096,8.724 h1.3 r90
  text "G" at 0.325,7.412 h1.3
  text "Int2" at -2.152,7.385 h1.3
  text "IO5" at 28.95,7.387 h1.3
  text "G" at 31.625,7.387 h1.3
  text "4V5" at -2.143,4.887 h1.3
  text "G" at 0.766,4.887 h1.3
  text "IO4" at 28.875,4.887 h1.3
  text "C" at 31.75,4.886 h1.3
  text "5V" at 16.025,1.887 h1.3
  text "Active" at 19.2,-0.6 h1.52 r90
  text "Debug" at 20.5,-0.6 h1.52 r90
  text "3.3V" at 21.8,-0.6 h1.52 r90
  text "4.5V" at 23.1,-0.6 h1.52 r90
  text "5V" at 24.4,-0.6 h1.52 r90
  text "10V" at 25.7,-0.6 h1.52 r90
  text "VBat" at 27,-0.6 h1.52 r90
  text "G" at 23.101,-1.425 h1.3 r90
  text "G" at 25.624,-1.425 h1.3 r90
  text "Dbg" at 18.014,-2 h1.1 r90
  text "IO6" at 15.613,-2.45 h1.3 r90
  text "Act" at 20.578,-2.45 h1.3 r90
Bottom Overlay:
  text "5V" at 26.937,31.4 h1.3 r270
  text "SCL" at 19.387,31.217 h1.3 r270
  text "T0" at 7.412,31.16 h1.3 r270
  text "10V" at 4.912,31.107 h1.3 r270
  text "SDA" at 21.937,31.079 h1.3 r270
  text "Sp+" at 24.385,30.571 h1.1 r270
  text "G" at 4.887,29.551 h1.3 r270
  text "R0" at 7.412,28.914 h1.3 r270
  text "3V3" at 24.412,28.708 h1.3 r270
  text "Sp-" at 27.114,28.714 h1.3 r270
  text "VO" at 1.72,27.412 h1.3
  text "R1" at -0.936,27.379 h1.3
  text "M3" at 29.8,26.887 h1.3
  text "M2" at 32.703,26.879 h1.3
  text "T1" at -0.966,24.879 h1.3
  text "VI" at 1.453,24.879 h1.3
  text "M1" at 32.571,24.404 h1.3
  text "M4" at 29.824,24.379 h1.3
  text "4V5" at 2.444,14.887 h1.3
  text "SWDIO" at 13.648,14.885 h1.1
  text "G" at -0.051,14.587 h1.3
  text "IO25" at -0.492,12.387 h1.3
  text "IO24" at 2.047,12.387 h1.3
  text "SWCLK" at 14,12.01 h1.1
  text "Int1" at -0.506,9.889 h1.3
  text "5V" at 1.606,9.892 h1.3
  text "V+" at 31.096,9.845 h1.3 r90
  text "G" at 0.899,7.412 h1.3
  text "Int2" at -0.506,7.385 h1.3
  text "IO5" at 30.369,7.387 h1.3
  text "G" at 32.199,7.387 h1.3
  text "4V5" at -0.506,4.887 h1.3
  text "G" at 1.34,4.887 h1.3
  text "IO4" at 30.323,4.887 h1.3
  text "C" at 32.247,4.886 h1.3
  text "5V" at 17.132,1.887 h1.3
  text "G" at 23.101,-0.851 h1.3 r90
  text "G" at 25.624,-0.851 h1.3 r90
  text "IO6" at 15.613,-1.014 h1.3 r90
  text "Act" at 20.578,-1.035 h1.3 r90
  text "Dbg" at 18.064,-1.176 h1.1 r90
Mechanical 1:
  the board outline again, w0.254

## Text inside footprints (layer, text, board x,y; h text height)
IC5: Top Overlay "Baro" at 17.281,27.487 h1.7